# Altium PCB SmartPower.PcbDoc (part 1 of 2)
Units mm, origin at the board's own origin, x right, y up, seen from the top; angles counter-clockwise.
Board outline 100 x 62.5 mm, 4 copper layers (Top Layer, Layer 1, Layer 2, Bottom Layer), stack 1.531 mm thick; 116 components, 111 nets, 508 pads, 404 vias.
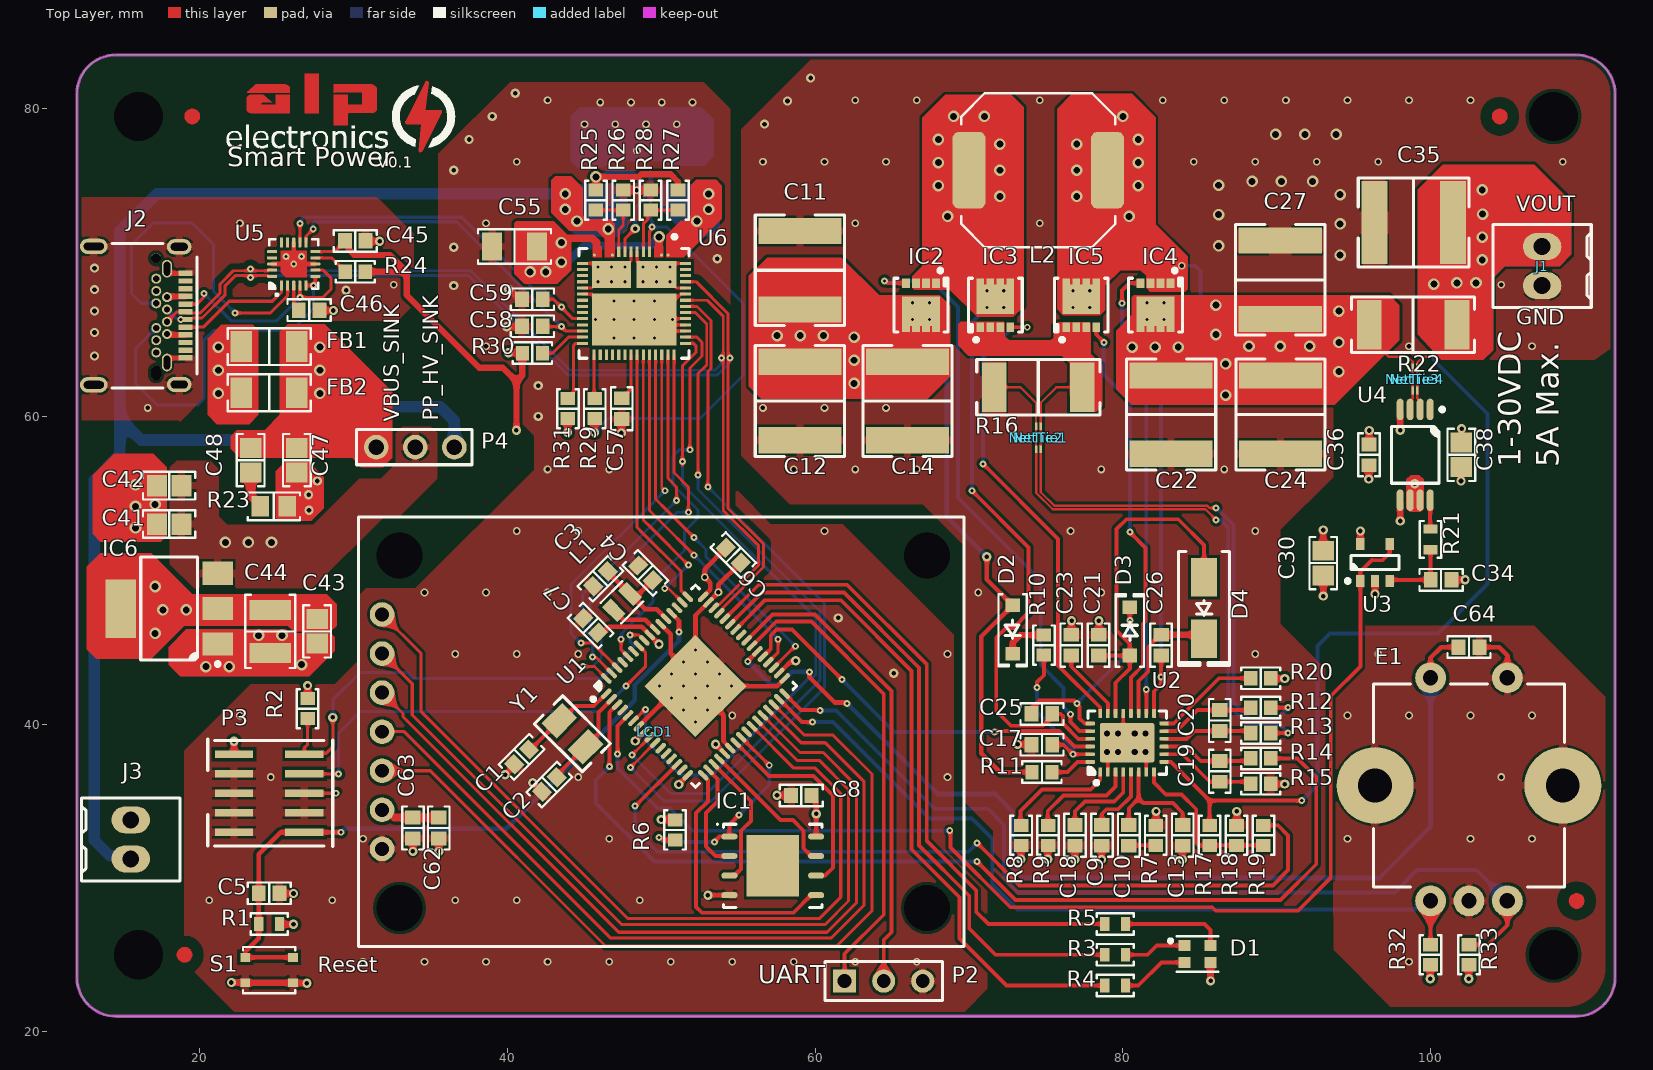
[diagram p0: Top Layer view]
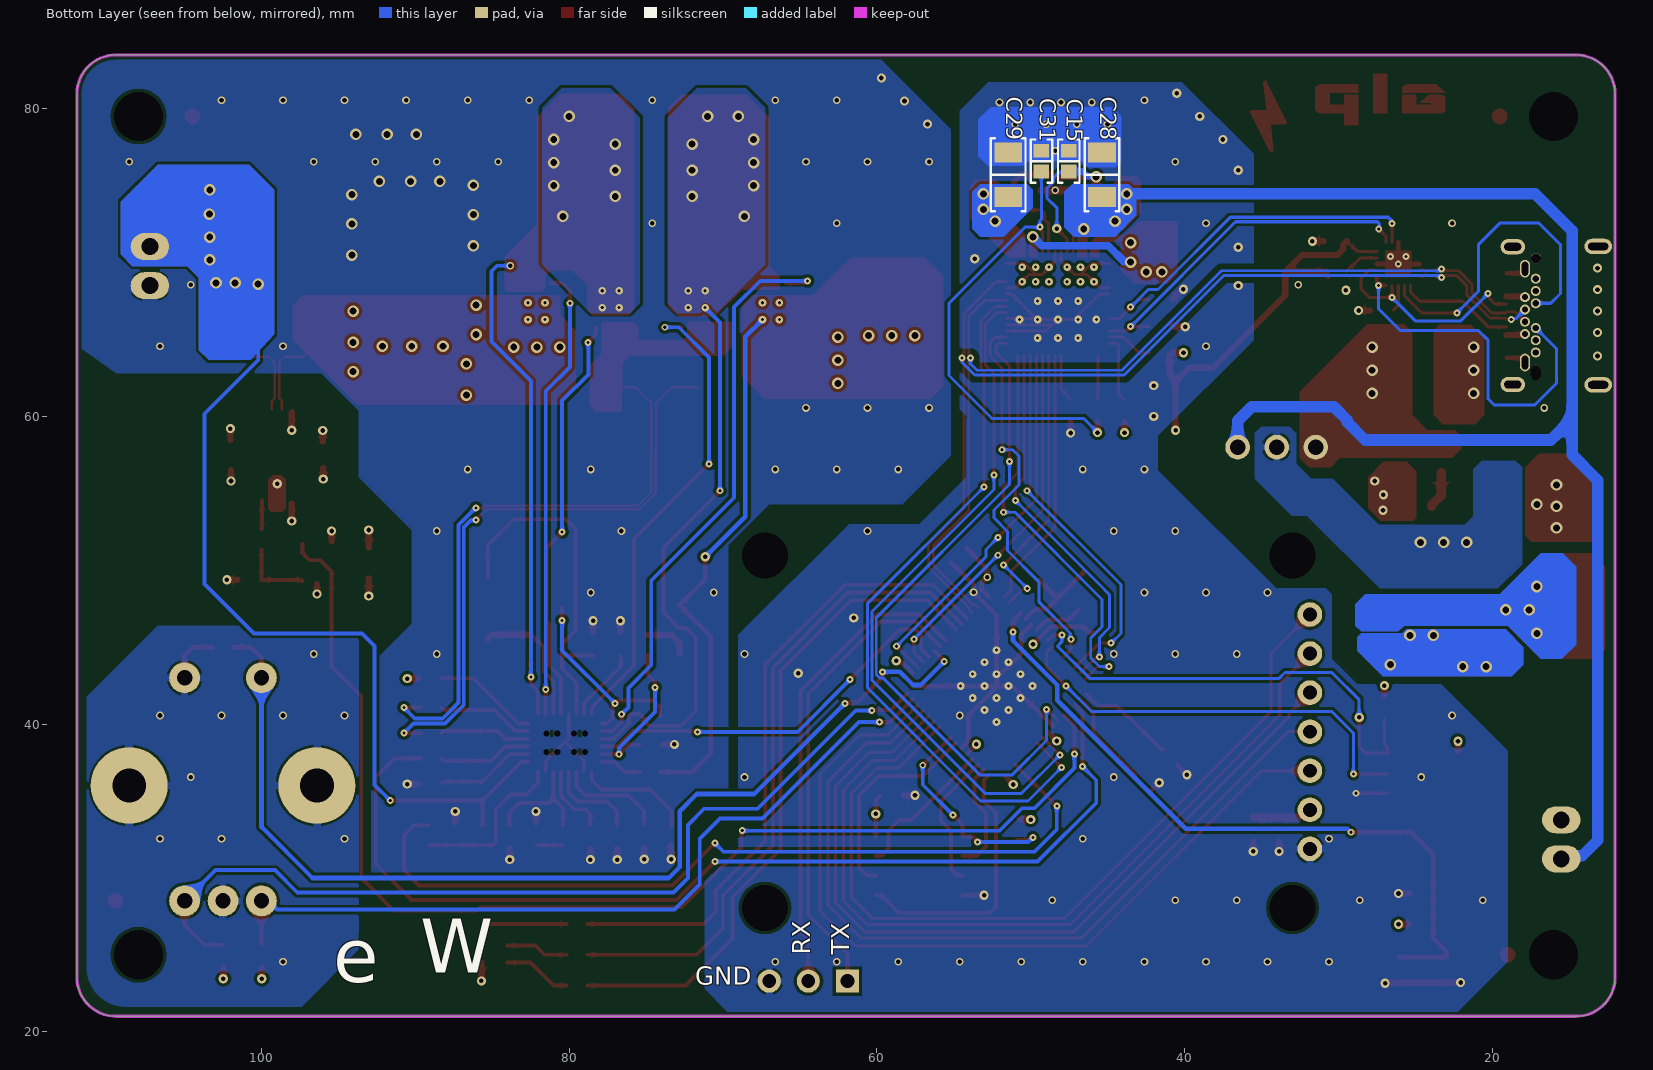
[diagram p1: Bottom Layer view, seen from below]
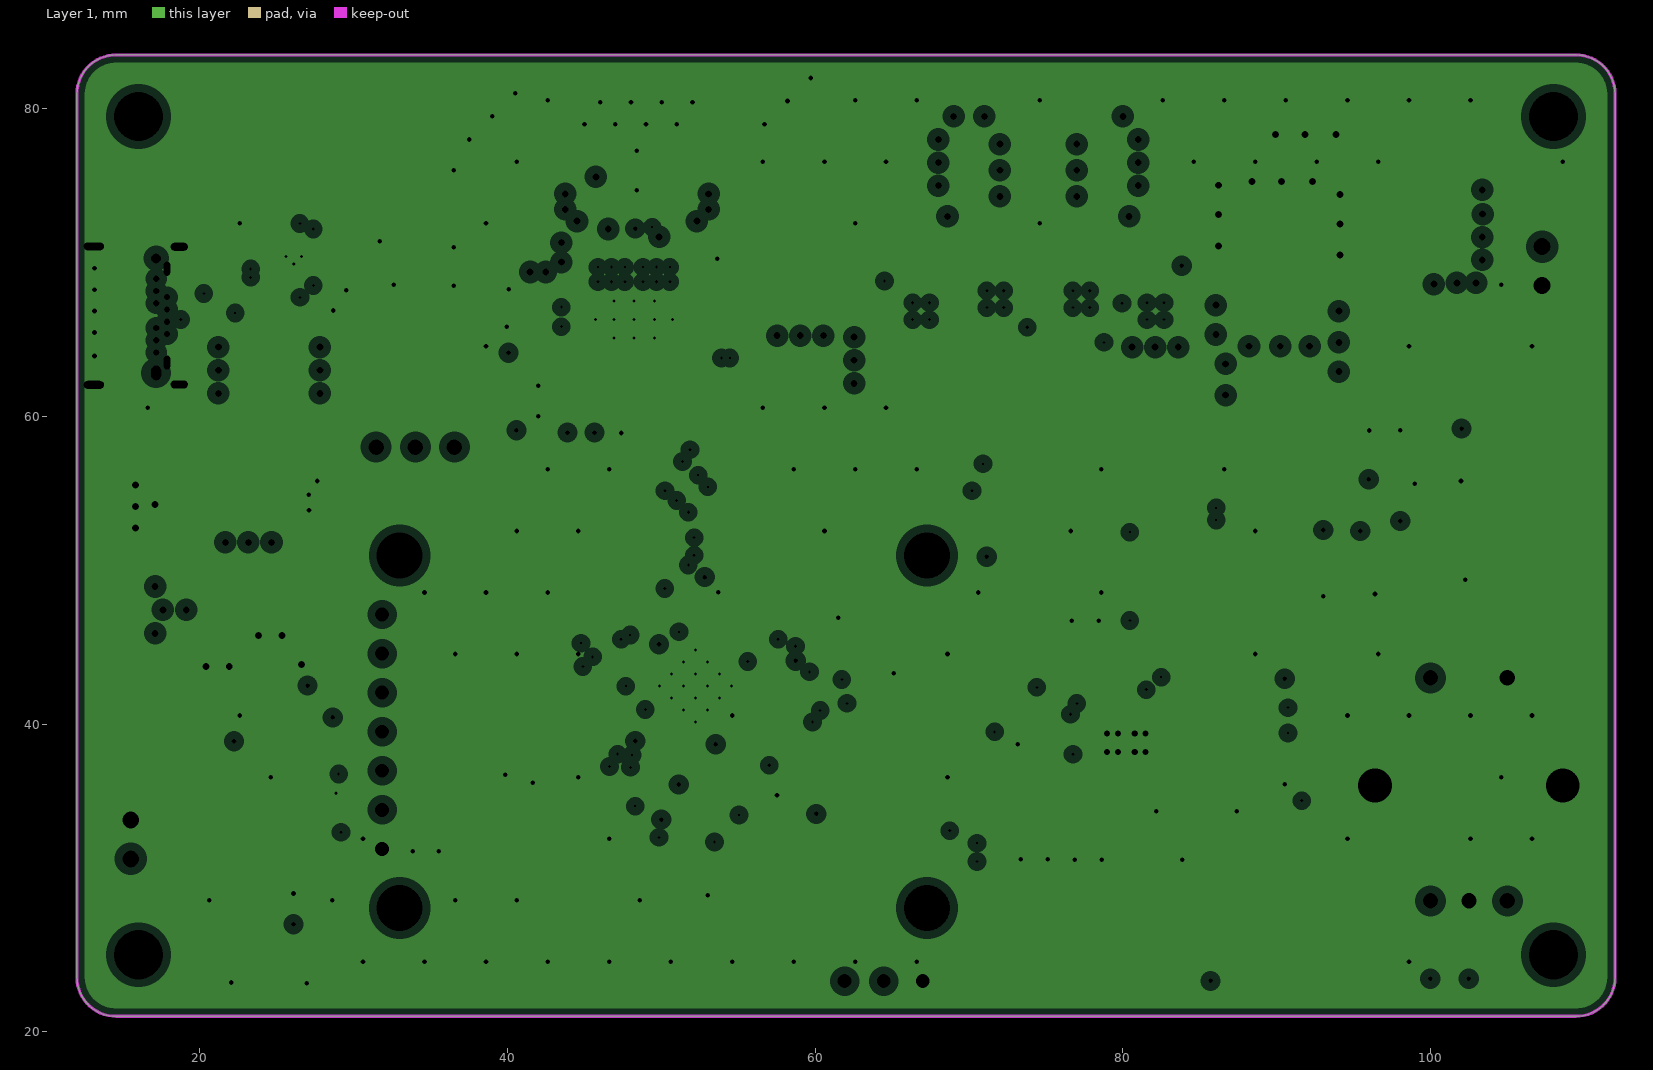
[diagram p2: Layer 1, clearances drawn from the general rule]
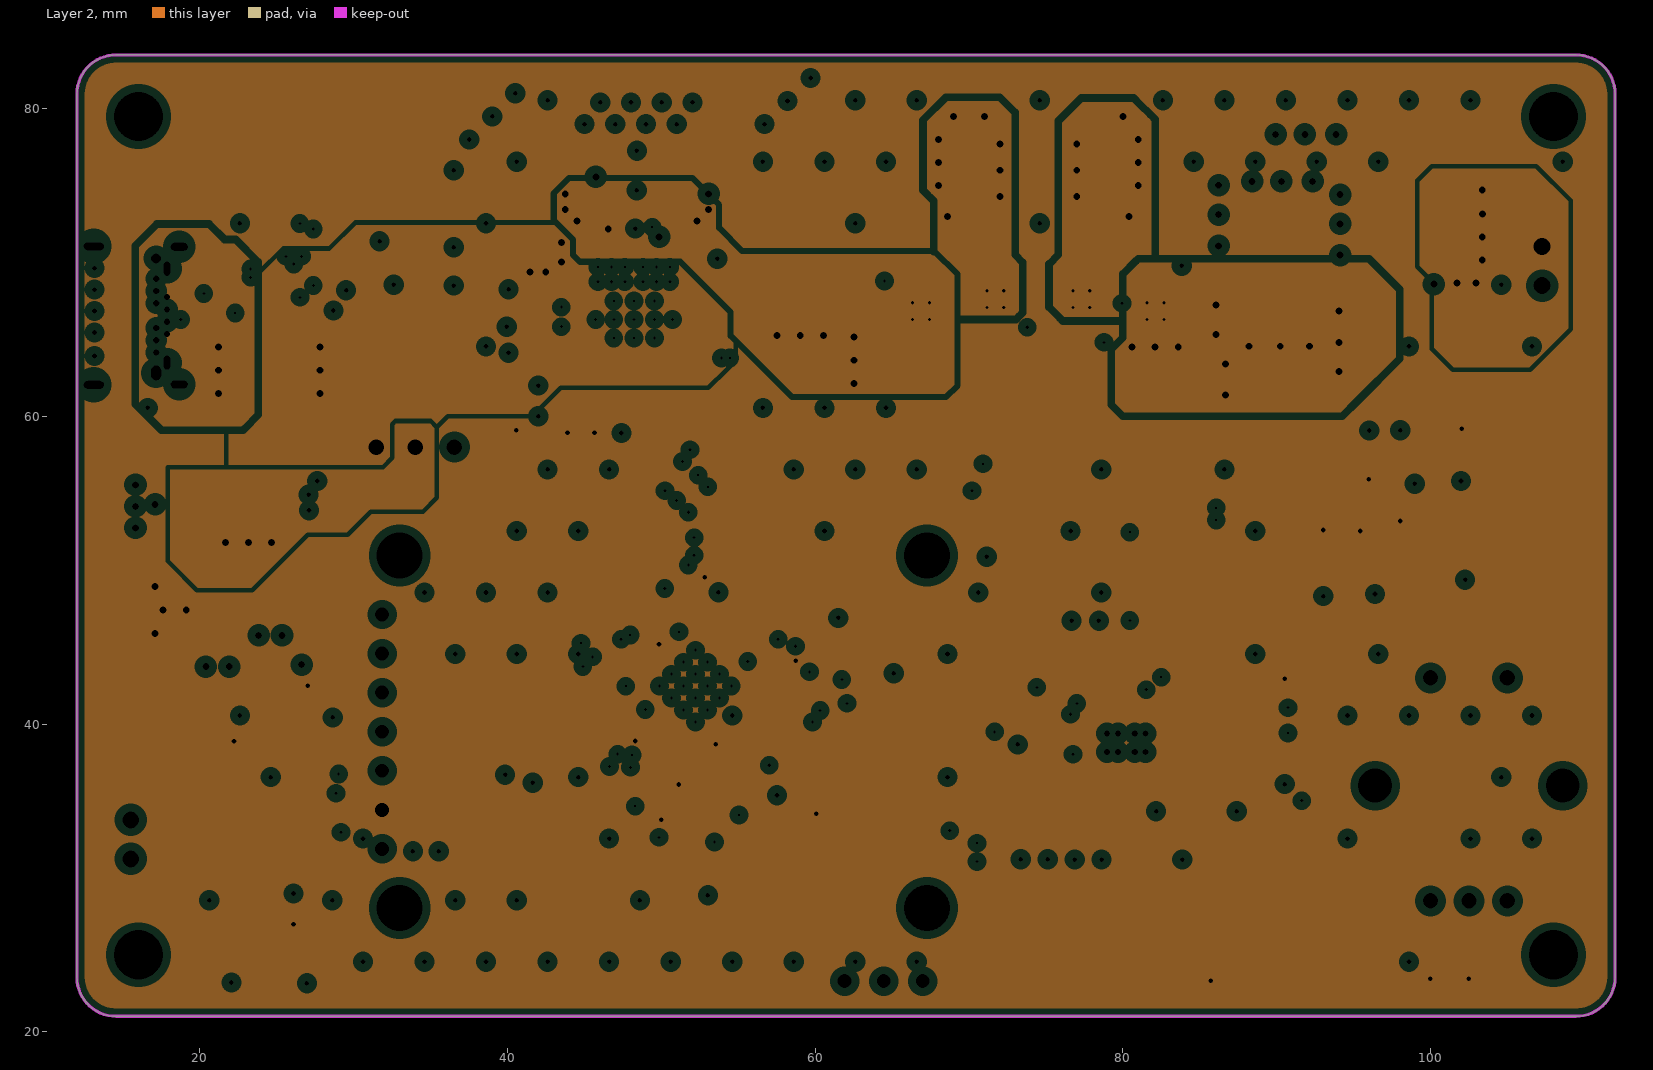
[diagram p3: Layer 2, clearances drawn from the general rule]
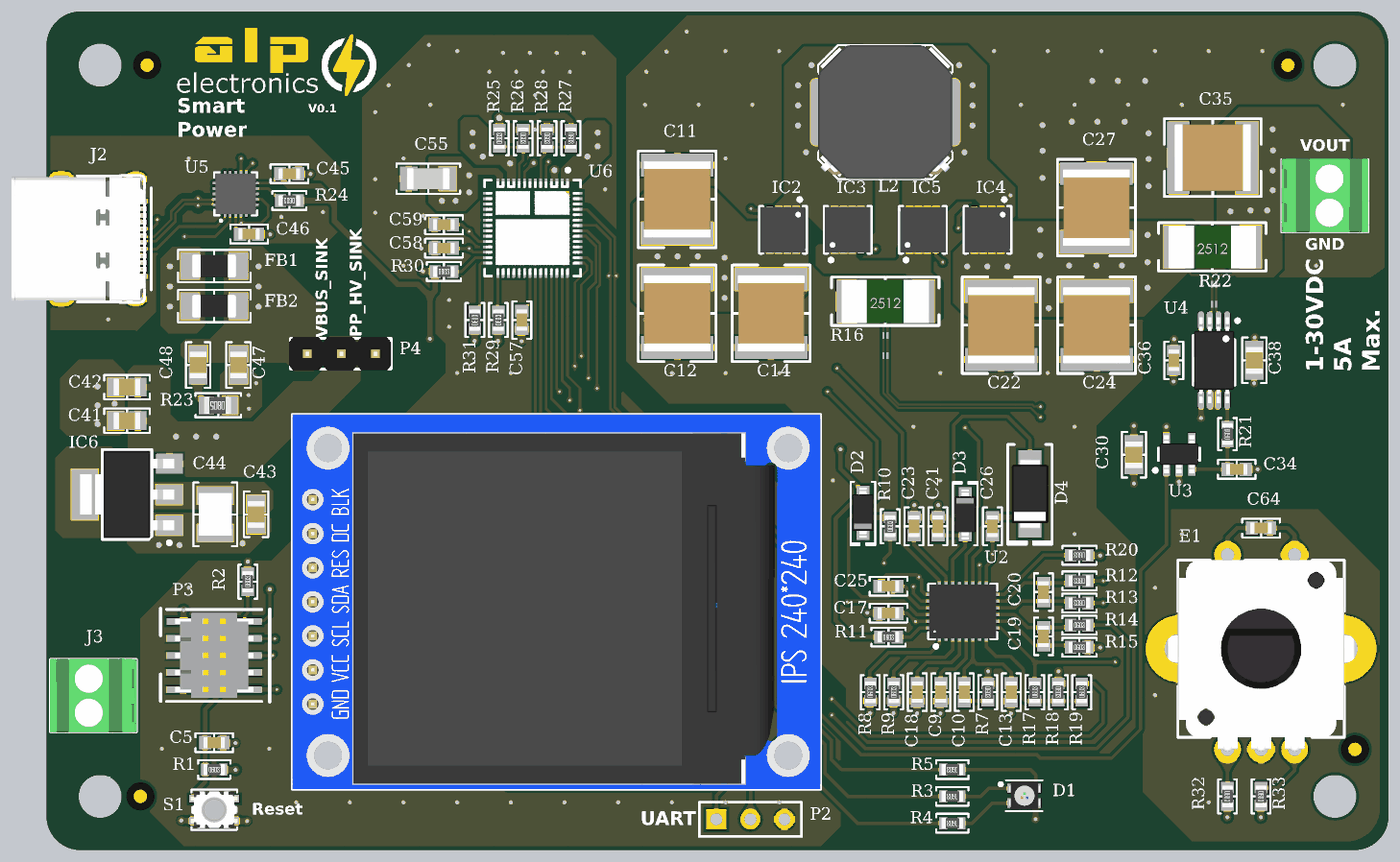
[diagram p5: 3D render of the assembled board from above, using the file's embedded part models]
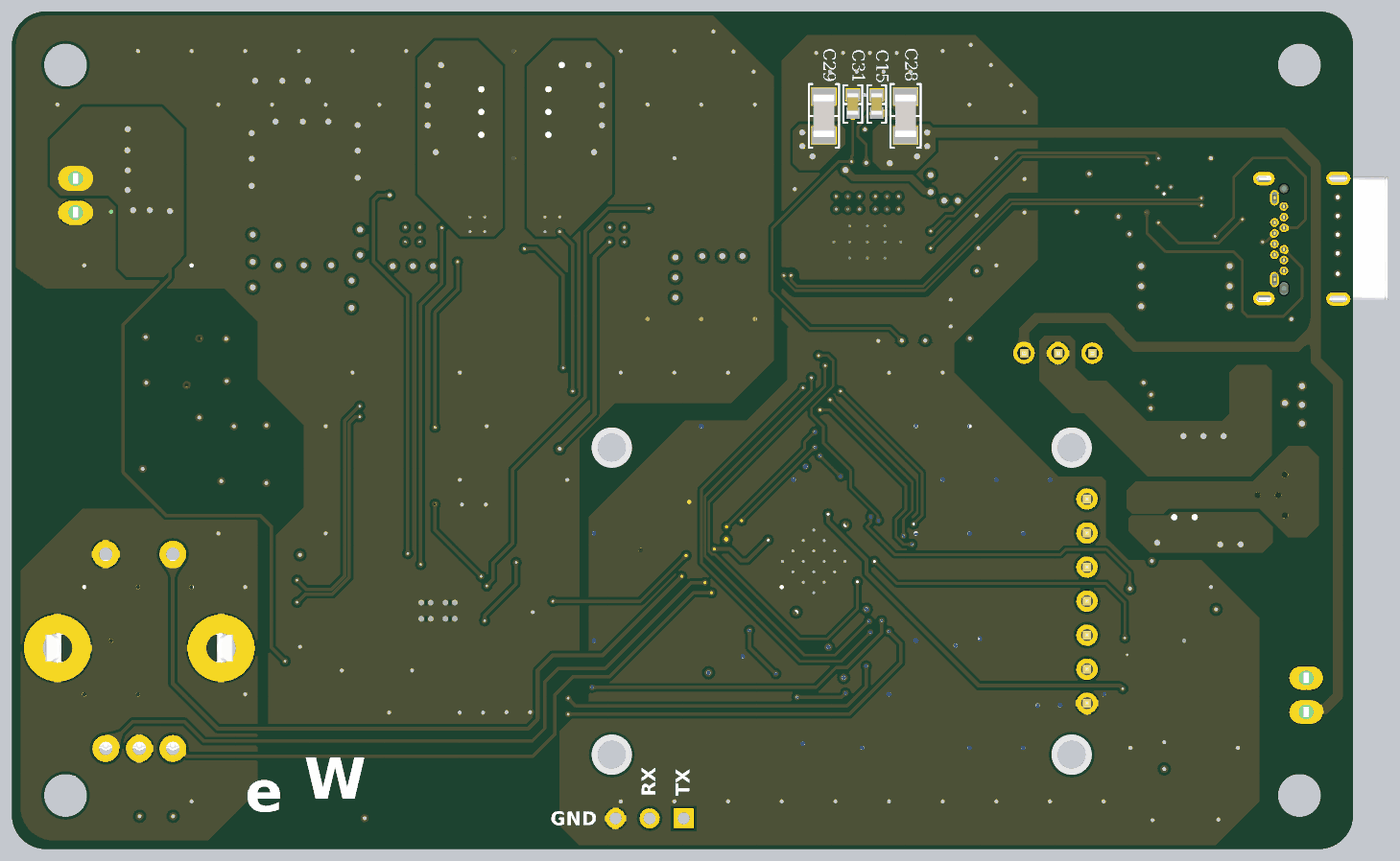
[diagram p6: 3D render of the assembled board from below, using the file's embedded part models]

## Layer stack, top to bottom
Top Solder: solder mask 0.0203, SM-001, Dk 4
Top Layer: signal copper 0.035
Dielectric 2: prepreg 0.1803, PP-021, Dk 4.6
Layer 1: plane copper 0.0175, net GND
Dielectric 1: core 1.065, Core-042, Dk 4.6
Layer 2: plane copper 0.0175, net (Multiple Nets)
Dielectric 3: prepreg 0.1803, PP-021, Dk 4.6
Bottom Layer: signal copper 0.035
Bottom Solder: solder mask 0.0203, SM-001, Dk 4

## Board outline
12,23.54 12,80.96 cw(c14.54,80.96) 14.54,83.5 109.46,83.5 cw(c109.46,80.96) 112,80.96 112,23.54 cw(c109.46,23.54) 109.46,21 14.54,21 cw(c14.54,23.54)

## Design rules (kind name [scope] priority, off if disabled: settings)
Clearance Clearance_1 [InPolygon vs InDifferentialPairClass('USB')] p1: gap=0.4 ignorepadtopadclearanceinfootprint=FALSE
Clearance Clearance_2 [InPolygon] p2: gap=0.2 ignorepadtopadclearanceinfootprint=FALSE
Clearance [All] p3: gap=0.089 ignorepadtopadclearanceinfootprint=FALSE
ComponentClearance [All] p1: gap=0 collisioncheckmode=3 verticalgap=0 showdistances=FALSE
DiffPairsRouting [InDifferentialPairClass('USB')] p1: maxlimit=0.127 minlimit=0.1 mostfreqgap=0.127 toplayer_minwidth=0.1 toplayer_maxwidth=0.19 toplayer_prefwidth=0.19 bottomlayer_minwidth=0.1 bottomlayer_maxwidth=0.19 bottomlayer_prefwidth=0.19 impedanceprofiledriven=TRUE impedanceprofileid={8B3FAB58-E469-40B0-8BDB-5D09F872C1F6} impedanceprofilevalue=90.000000 maxuncoupledlength=7
HoleSize [All] p1: absolutevalues=TRUE maxlimit=4 minlimit=0.2 maxpercent=80.000 minpercent=20.000
HoleToHoleClearance [All] p1: gap=0.2 allowstackedmicrovias=TRUE
MinimumAnnularRing [All] p1: minimumring=0.13
PlaneClearance [All] p1: clearance=0.508
PlaneConnect [All] p1: planeconnectstyle=Direct reliefexpansion=0.508 reliefentries=4 reliefconductorwidth=0.254 reliefairgap=0.254
PolygonConnect [All] p1: thpad.connectstyle=Relief thpad.reliefconductorwidth=0.5 thpad.reliefentries=4 thpad.polygonreliefangle="90 Angle" thpad.airgapwidth=0.15 smdpad.connectstyle=Relief smdpad.reliefconductorwidth=0.5 smdpad.reliefentries=4 smdpad.polygonreliefangle="90 Angle" smdpad.airgapwidth=0.15 via.connectstyle=Direct via.reliefconductorwidth=0.254 via.reliefentries=4 via.polygonreliefangle="90 Angle" via.airgapwidth=0.254
RoutingVias [All] p1: holewidth=0.3 width=0.5 viastyle="Through Hole" minholewidth=0.2 minwidth=0.45 maxholewidth=1.5 maxwidth=3
SolderMaskExpansion [All] p1: expansion=0.05 istentingtop=FALSE
Width [All] p1: maxlimit=2 minlimit=0.089 preferedwidth=0.4
24 further rules are at their usual default settings.

## Classes and differential pairs
differential pair class USB: USB
component class "U_[7] Display": C62 C63 C64 E1 LCD1 R32 R33
component class "U_[6] Power Output": C30 C34 C35 C36 C38 J1 NetTie3 NetTie4 R21 R22 U3 U4
component class "U_[5] USB-C Connector": C41 C42 C43 C44 C45 C46 C47 C48 FB1 FB2 IC6 J2 P4 R23 R24 U5
component class "U_[4] USB-PD Controller": C15 C28 C29 C31 C55 C57 C58 C59 J3 R25 R26 R27 R28 R29 R30 R31 U6
component class "U_[3] Power": C9 C10 C11 C12 C13 C14 C17 C18 C19 C20 C21 C22 C23 C24 C25 C26 C27 D2 D3 D4 IC2 IC3 IC4 IC5 L2 NetTie1 NetTie2 R7 R8 R9 R10 R11 R12 R13 R14 R15 R16 R17 R18 R19 R20 U2
component class "U_[2] MCU": C1 C2 C3 C4 C5 C6 C7 C8 D1 IC1 L1 P3 R1 R2 R3 R4 R5 R6 S1 U1 UART Y1
differential pair USB: +USB_P -USB_N
differential pair RES: +RES_P -RES_N
differential pair ISNS: +ISNS_P -ISNS_N
differential pair CS: +CS_P -CS_N

## Components (designator, comment, footprint, x,y, rotation, side; value= is the part's Value field where it differs from the comment)
C1 "12pF" "CAP 0603_1608" 40.914,37.866 r45 top
C2 "12pF" "CAP 0603_1608" 42.714,36.066 r45 top
C3 "1µF" "CAP 0603_1608" 46.036,49.448 r45 top
C4 "10µF" "CAP 0603_1608" 48.957,49.829 r315 top
C5 "1µF" "CAP 0603_1608" 24.5,29 r180 top
C6 "0.1µF" "CAP 0603_1608" 54.672,50.972 r315 top
C7 "1µF" "CAP 0603_1608" 45.401,46.4 r315 top
C8 "0.1µF" "CAP 0603_1608" 59.092,35.351 r180 top
C9 "6800pF" "CAP 0603_1608" 78.637,32.766 r90 top
C10 "0.015µF" "CAP 0603_1608" 80.387,32.766 r90 top
C11 "10µF" "CAP 2220_5650 2.5MM" 59,69.5 r270 top
C12 "10µF" "CAP 2220_5650 2.5MM" 59,61 r90 top
C13 "82pF" "CAP 0603_1608" 83.887,32.766 r90 top
C14 "10µF" "CAP 2220_5650 2.5MM" 66,61 r90 top
C15 "10µF" "CAP 0603_1608" 47.52,76.594 r270 bottom
C17 "0.1µF" "CAP 0603_1608" 74.738,38.653 r180 top
C18 "330pF" "CAP 0603_1608" 76.887,32.766 r90 top
C19 "47pF" "CAP 0603_1608" 86.295,36.926 r90 top
C20 "47pF" "CAP 0603_1608" 86.295,40.228 r90 top
C21 "1µF" "CAP 0603_1608" 78.421,45.13 r270 top
C22 "10µF" "CAP 2220_5650 2.5MM" 83.136,60.116 r90 top
C23 "0.1µF" "CAP 0603_1608" 76.643,45.13 r270 top
C24 "10µF" "CAP 2220_5650 2.5MM" 90.248,60.116 r90 top
C25 "0.1µF" "CAP 0603_1608" 74.738,40.66 r180 top
C26 "0.1µF" "CAP 0603_1608" 82.485,45.13 r90 top
C27 "10µF" "CAP 2220_5650 2.5MM" 90.232,68.879 r270 top
C28 "10µF" "CAP 1206_3216 - 1.8MM" 45.361,75.705 r270 bottom
C29 "10µF" "CAP 1206_3216 - 1.8MM" 51.457,75.705 r270 bottom
C30 "0.1µF" "CAP 0805_2012" 93.026,50.464 r90 top
C31 "10µF" "CAP 0603_1608" 49.298,76.594 r270 bottom
C34 "0.022µF" "CAP 0603_1608" 100.686,49.372 r180 top
C35 "10µF" "CAP 2220_5650 2.5MM" 98.9,72.6 r0 top
C36 "0.022µF" "CAP 0603_1608" 96,57.5 r270 top
C38 "0.1µF" "CAP 0805_2012" 102,57.5 r90 top
C41 "0.1µF" "CAP 0805_2012" 18,53 r0 top
C42 "0.1µF" "CAP 0805_2012" 18,55.5 r0 top
C43 "0.1µF" "CAP 0805_2012" 27.621,46.019 r90 top
C44 "10µF" "CAP 1210_3225 - 2.8MM" 24.573,46.019 r90 top
C45 "0.1µF" "CAP 0603_1608" 30.097,71.406 r180 top
C46 "0.1µF" "CAP 0603_1608" 27.097,66.906 r180 top
C47 "1µF" "CAP 0805_2012" 26.3,57.15 r90 top
C48 "4.7µF" "CAP 0805_2012" 23.3,57.15 r270 top
C55 "1µF" "CAP 1206_3216 - 0.8MM" 40.448,71.038 r0 top
C57 "4.7µF" "CAP 0603_1608" 47.419,60.5 r270 top
C58 "220pF" "CAP 0603_1608" 41.613,65.863 r0 top
C59 "220pF" "CAP 0603_1608" 41.613,67.613 r0 top
C62 "0.1µF" "CAP 0603_1608" 35.52,33.243 r270 top
C63 "1µF" "CAP 0603_1608" 33.844,33.243 r90 top
C64 "0.1µF" "CAP 0603_1608" 102.5,45 r0 top
D1 "FM-B2020RGBA-HG" FM-B2020RGBA-HG 84,25.6 r180 top value=Green
D2 "B0540W-7-F" SOD-123 72.833,46.146 r270 top
D3 "B0540W-7-F" SOD-123 80.453,46.019 r90 top
D4 "B260A-13-F" "DO214AC SMA" 85.279,47.543 r270 top
E1 "EC12E2424407" EC12E242 102.5,36 r0 top
FB1 "50 Ohms @ 100MHz" "FER 1206_3216" 24.5,64.536 r180 top
FB2 "50 Ohms @ 100MHz" "FER 1206_3216" 24.5,61.536 r180 top
IC1 "MX25R3235FZNIL0" "SPANSION WSON-8 6x5MM" 57.24,30.782 r0 top
IC2 "CSD17575Q3" "TI SON-8 Q3"#1 66.88,67.228 r270 top
IC3 "CSD17575Q3" "TI SON-8 Q3"#1 71.706,67.228 r90 top
IC4 "CSD17575Q3" "TI SON-8 Q3"#2 82.12,67.228 r270 top
IC5 "CSD17575Q3" "TI SON-8 Q3"#2 77.294,67.228 r90 top
IC6 "AMS1117-3.3" "ON SEMI SOT-223 ST(318H)" 18,47.5 r180 top
J1 "282834-2" "TE 282834-2" 107.25,69.768 r270 top
J2 "C168698" USB4055 14.5,66.55 r90 top
J3 "282834-2" "TE 282834-2" 15.5,32.5 r90 top
L1 "Inductor Iron" IND_Würth_74404020100 47.433,47.924 r225 top value=10mH
L2 "‎1274AS-H-4R7N=P3‎" "MURATA 1274AS" 74.5,76 r0 top value=4.7uH
LCD1 "ST7789-240x240 Module" "1.3 TFT IPS - Module" 50,39.5 r90 top locked
NetTie1 "Net Tie" NET_TIE_2X0.156MM 74.662,59.354 r270 top net-tie
NetTie2 "Net Tie" NET_TIE_2X0.156MM 74.357,59.354 r270 top net-tie
NetTie3 "Net Tie" NET_TIE_2X0.156MM 98.843,61.677 r90 top net-tie
NetTie4 "Net Tie" NET_TIE_2X0.156MM 99.147,61.677 r90 top net-tie
P2 "Header 3" HDR1X3 61.911,23.286 r0 top
P3 "FTSH-105-01-F-DV-K-TR" FTSH-105-01-F-DV-K-TR 24.5,35.5 r270 top
P4 "Header 3" "HEADER 2.54MM - duplicate1" 36.54,58 r180 top
R1 "10k" "RES 0603/1608" 24.5,27 r0 top
R2 "10 kOhms" "RES 0603_1608" 27,41 r90 top
R3 "360" "RES 0603/1608" 79.5,25 r180 top
R4 "150" "RES 0603/1608" 79.5,23 r180 top
R5 "150" "RES 0603/1608" 79.5,27 r180 top
R6 "10 kOhms" "RES 0603_1608" 50.887,33.116 r90 top
R7 "13 kOhms" "RES 0603_1608" 82.137,32.766 r270 top
R8 "93.1 kOhms" "RES 0603_1608" 73.387,32.766 r90 top
R9 "23.2 kOhms" "RES 0603_1608" 75.137,32.766 r90 top
R10 "10 Ohms" "RES 0603_1608" 74.865,45.13 r90 top
R11 "2 kOhms" "RES 0603_1608" 74.738,36.875 r0 top
R12 "100 Ohms" "RES 0603_1608" 88.962,41.066 r180 top
R13 "100 Ohms" "RES 0603_1608" 88.962,39.415 r180 top
R14 "100 Ohms" "RES 0603_1608" 88.962,37.764 r0 top
R15 "100 Ohms" "RES 0603_1608" 88.962,36.113 r0 top
R16 "0.01" "STACKPOLE CSR2512" 74.5,61.894 r0 top
R17 "160 kOhms" "RES 0603_1608" 85.637,32.766 r90 top
R18 "4.22 kOhms" "RES 0603_1608" 87.387,32.766 r270 top
R19 "16.5 kOhms" "RES 0603_1608" 89.137,32.766 r90 top
R20 "10 kOhms" "RES 0603_1608" 88.962,42.971 r180 top
R21 "51" "RES 0603/1608" 100,52 r90 top
R22 "0.01" "STACKPOLE CSR2512" 98.868,65.958 r0 top
R23 "3.48 Ohms" "RES 0805_2012" 24.8,54.15 r180 top
R24 "10 kOhms" "RES 0603_1608" 30.097,69.406 r180 top
R25 "191 kOhms" "RES 0603_1608" 45.742,74.054 r90 top
R26 "100 kOhms" "RES 0603_1608" 47.52,74.054 r270 top
R27 "10 kOhms" "RES 0603_1608" 51.076,74.054 r270 top
R28 "100 kOhms" "RES 0603_1608" 49.298,74.054 r270 top
R29 "3.83 kOhms" "RES 0603_1608" 45.669,60.5 r90 top
R30 "3.83 kOhms" "RES 0603_1608" 41.613,64.113 r0 top
R31 "3.83 kOhms" "RES 0603_1608" 43.919,60.5 r90 top
R32 "10 kOhms" "RES 0603_1608" 100,25 r270 top
R33 "10 kOhms" "RES 0603_1608" 102.5,25 r270 top
S1 "SKSGACE010" SKSGACE010 24.5,24 r0 top
U1 "ATSAMD51J20A-MU" "SI LABS QFN-64_S" 52.214,42.466 r45 top
U2 "TI LM5176RHF" "TI VQFN-28 RHF" 80.276,38.785 r90 top
U3 "OPA365" "DIODES SOT-23-5 W5" 96.389,50.5 r90 top
U4 "INA240A" "Atmel TSSOP-8 8X" 99,57.5 r270 top
U5 "TPD6S300" "WQFN - 20" 26.097,69.906 r90 top
U6 "TPS65987DDHRSHR" FP-RSH0056E-MFG 48.224,67.351 r270 top
Y1 "32.768kHz" "ABRACON ABS07" 44.214,39.366 r135 top

## Footprints (in the part's own frame and the unit in brackets; to place one, negate y for a bottom-side part, rotate by r counter-clockwise, add the part's x,y. Pads: shape width x height; smd on the part's side, far side on the other; paste and mask are expansions set on the pad)
"1.3 TFT IPS - Module" [mm] "240x240 ST7789"
  round 1.6 hole 0.9: 1(-7.62,18.161) 2(-5.08,18.161) 3(-2.54,18.161) 4(0,18.161) 5(2.54,18.161) 6(5.08,18.161) 7(7.62,18.161)
  oval 0.5x0.156 hole 3 unplated: M(-11.455,17.018) M(-11.455,-17.272) M(11.455,17.018) M(11.455,-17.272)
  silkscreen extent -13.97,-19.68 13.97,19.69, body extent -13.97,-19.68 13.97,19.69, height 10.13
"ABRACON ABS07" [mm] "Crystal, 2-Leads, Body 3.20x1.50mm, IPC Medium Density"
  rect 1.4x1.9 smd: 1(-1.2,0) 2(1.2,0)
  silkscreen extent -2.2,-1.3 2.2,1.3, body extent -1.62,-0.77 1.63,0.78, height 0.9
"Atmel TSSOP-8 8X" [mm] "TSSOP, 8-Leads, Body 3.00x4.40mm, Pitch 0.65mm, IPC Medium Density"
  oval 1.4x0.45 smd: 1(-2.95,0.975) 2(-2.95,0.325) 3(-2.95,-0.325) 4(-2.95,-0.975) 5(2.95,-0.975) 6(2.95,-0.325) 7(2.95,0.325) 8(2.95,0.975)
  silkscreen extent -3.07,-1.55 1.85,1.88, body extent -3.21,-1.5 3.21,1.5, height 1.2
"CAP 0603_1608" [mm] "Chip Capacitor, 2-Leads, Body 1.60x0.80mm, IPC Medium Density"
  rect 0.9x1 smd: 1(-0.675,0) 2(0.675,0)
  silkscreen extent -1.4,-0.7 1.4,0.7, body extent -0.8,-0.41 0.8,0.41, height 0.82
"CAP 0805_2012" [mm] "Chip Capacitor, 2-Leads, Body 2.00x1.20mm, IPC Medium Density"
  rect 1.3x1.4 smd: 1(-0.8,0) 2(0.8,0)
  silkscreen extent -1.7,-0.9 1.7,0.9, body extent -1,-0.64 1,0.64, height 1.26
"CAP 1206_3216 - 0.8MM" [mm] "Chip Capacitor, 2-Leads, Body 3.25x1.60mm, IPC Medium Density"
  rect 1.3x1.8 smd: 1(-1.45,0) 2(1.45,0)
  silkscreen extent -2.37,-1.12 2.37,1.12, body extent -1.6,-0.8 1.6,0.8, height 0.8
"CAP 1206_3216 - 1.8MM" [mm] "Chip Capacitor, 2-Leads, Body 3.25x1.60mm, IPC Medium Density"
  rect 1.3x1.8 smd: 1(-1.45,0) 2(1.45,0)
  silkscreen extent -2.37,-1.12 2.37,1.12, body extent -1.6,-0.8 1.6,0.8, height 1.8
"CAP 1210_3225 - 2.8MM" [mm] "Chip Capacitor, 2-Leads, Body 3.20x2.50mm, IPC Medium Density"
  rect 1.3x2.7 smd: 1(-1.4,0) 2(1.4,0)
  silkscreen extent -2.37,-1.63 2.37,1.63, body extent -1.6,-1.25 1.6,1.25, height 2.8
"CAP 2220_5650 2.5MM" [mm] "Chip Capacitor, 2-Leads, Body 5.70x5.00mm, IPC Medium Density"
  rect 1.7x5.4 smd: 1(-2.55,0) 2(2.55,0)
  silkscreen extent -3.6,-2.9 3.6,2.9, body extent -2.85,-2.5 2.85,2.5, height 2.5
"DIODES SOT-23-5 W5" [mm] "SOT23, 5-Leads, Body 3.00x2.85mm, Pitch 0.95mm, IPC Medium Density"
  rect 0.8x0.55 smd: 1(-1.2,0.95) 2(-1.2,0) 3(-1.2,-0.95) 4(1.2,-0.95) 5(1.2,0.95)
  silkscreen extent -1.32,-1.55 0.45,1.9, body extent -1.41,-1.45 1.41,1.45, height 1.5
"DO214AC SMA" [mm] "Molded Diode, 2-Leads, Body 4.30x2.60mm, IPC Medium Density"
  rect 2.5x1.7 smd: 1(-2,0) 2(2,0)
  silkscreen extent -3.68,-1.65 3.75,1.65, body extent -2.6,-1.37 2.6,1.37, height 2.4
EC12E242 [mm] "12mm Size Insulated Shaft (20mm operating section) Type Encoder"
  round 2 hole 1: A(-2.5,-7.5) B(2.5,-7.5) C(0,-7.5) S1(-2.5,7) S2(2.5,7)
  round 5 hole 2.2: M(-6.1,0) M(6.1,0)
  silkscreen extent -6.2,-6.6 6.2,6.6, body extent -7,-7.65 7,6.6, height 20.1
"FER 1206_3216" [mm] "Chip Ferrite, 2-Leads, Body 3.20x1.60mm, IPC Medium Density"
  rect 1.4x2 smd: 1(-1.8,0) 2(1.8,0)
  silkscreen extent -2.7,-1.2 2.7,1.2, body extent -1.65,-0.85 1.65,0.85, height 1.3
FM-B2020RGBA-HG [mm] "2.1x2.1mm RGB Led"
  rect 0.8x0.7 smd: 1(0,0) 2(-1.7,0) 3(-1.7,1.1) 4(0,1.1)
  silkscreen extent -2.2,-0.6 1,1.7, body extent -2.02,-0.5 0.27,1.6, height 0.98
FP-RSH0056E-MFG [mm]
  round 0.194 smd paste+0 mask+0: 1-2(-3.137,2.213) 3-4(-3.137,1.787) 11-12(-3.137,-1.412) 13-14(-3.137,-2.587)